# Allegro board 6089-103-RevB_76.brd (continued)
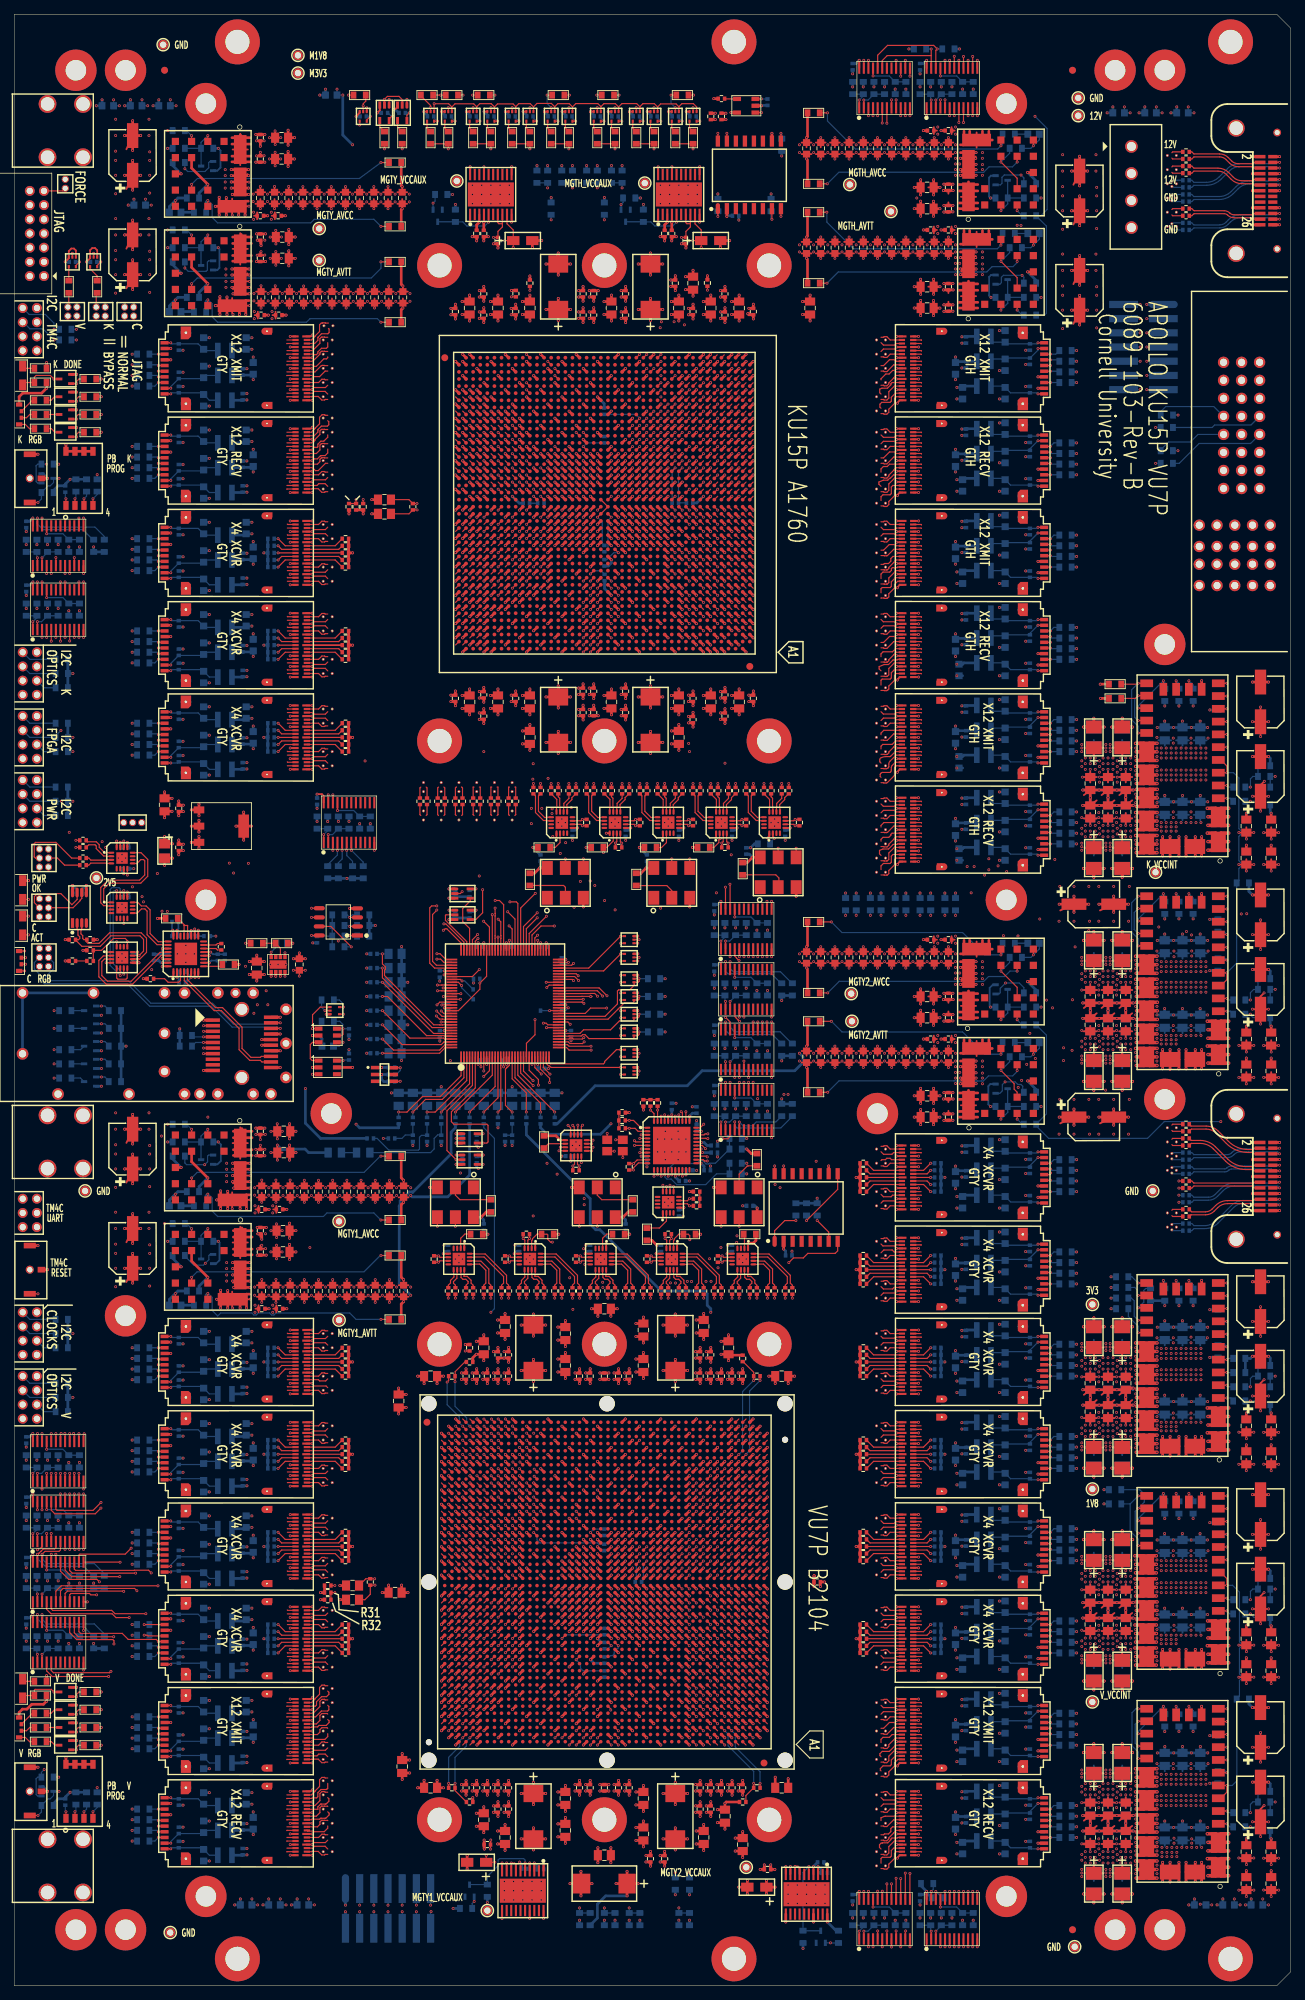
[diagram p0: board, top side]
## Routing (per net, layer and track width the routed paths; a pad name or vN(x,y) marks a point on that pad's centre or on a via; arc(x,y) is an arc through that point) (continued)
VA121.3 ; VA121.3 121.56,53.28 ; VA121.3 121.24,52.58 ; VA121.3 121.15,52.71 ; VA121.3 121.18,52.9 ; VA121.3 121.38,52.49 ; VA121.3 121.15,53.09 ; VA121.3 121.24,53.22 ; 122.83,104.52 VA105.4 ; VA105.4 122.83,105.28 ; VA105.4 123.25,104.71 ; VA105.4 123.02,105.31 ; VA105.4 123.22,104.9 ; VA105.4 123.16,104.58 ; VA105.4 123.25,105.09 ; VA105.4 123.16,105.22 ; 121.15,217.09 VA72.4 ; VA72.4 121.56,216.52 ; VA72.4 121.24,216.58 ; VA72.4 121.38,216.49 ; VA72.4 121.15,216.71 ; VA72.4 121.18,216.9 ; VA72.4 121.24,217.22 ; VA72.4 121.56,217.28 ; VA31.3 45.22,70.9 ; VA31.3 45.25,71.09 ; VA31.3 45.16,70.58 ; VA31.3 45.25,70.71 ; VA31.3 45.16,71.22 ; VA31.3 44.84,71.28 ; VA31.3 45.02,71.31 ; VA31.3 44.84,70.52 ; J1.5 4.87,245.57 ; J1.5 4.2,245.78 ; J1.5 4.2,244.02 ; J1.5 3.32,244.9 ; J1.5 3.53,245.57 ; J1.5 3.53,244.23 ; J1.5 4.87,244.23 ; J1.5 5.08,244.9 ; VA110.4 122.83,90.28 ; VA110.4 122.83,89.52 ; VA110.4 123.25,90.09 ; VA110.4 123.25,89.71 ; VA110.4 123.16,89.58 ; VA110.4 123.22,89.9 ; VA110.4 123.16,90.22 ; VA110.4 123.02,90.31 ; 59.88,167.94 60.2,168.26 ; 60.2,168.26 60.58,168.26 ; 60.2,168.26 60.61,168.08 ; 60.2,168.26 60.2,167.88 ; 60.2,168.26 59.79,168.08 ; 60.2,168.26 59.82,168.26 ; 60.2,168.26 60.01,167.85 ; 60.2,168.26 60.52,167.94 ; VA23.3 44.84,172.28 ; VA23.3 45.25,171.71 ; VA23.3 45.25,172.09 ; VA23.3 45.02,172.31 ; VA23.3 44.84,171.52 ; VA23.3 45.22,171.9 ; VA23.3 45.16,172.22 ; VA23.3 45.16,171.58 ; 43.15,86.09 43.56,85.9 ; 43.56,85.9 43.38,85.49 ; 43.56,85.9 43.24,86.22 ; 43.56,85.9 43.56,86.28 ; 43.56,85.9 43.15,85.71 ; 43.56,85.9 43.24,85.58 ; 43.56,85.9 43.18,85.9 ; 43.56,85.9 43.56,85.52 ; VA134.3 123.25,20.71 ; VA134.3 123.02,21.31 ; VA134.3 123.22,20.9 ; VA134.3 123.16,21.22 ; VA134.3 123.25,21.09 ; VA134.3 122.83,20.52 ; VA134.3 122.83,21.28 ; VA134.3 123.16,20.58 ; VA50.4 45.25,20.71 ; VA50.4 44.84,20.52 ; VA50.4 44.84,21.28 ; VA50.4 45.16,21.22 ; VA50.4 45.16,20.58 ; VA50.4 45.25,21.09 ; VA50.4 45.22,20.9 ; VA50.4 45.02,21.31 ; U24.G2 24.21,171.84 ; U24.G2 23.49,171.62 ; U24.G2 23.49,170.18 ; U24.G2 23.81,169.97 ; U24.G2 24.21,169.96 ; U24.G2 24.93,171.62 ; U24.G2 25.15,170.9 ; U24.G2 24.93,170.18 ; 159.83,111.33 PM24.1 ; PM24.1 160.5,112.88 ; PM24.1 159.62,112 ; PM24.1 161.17,111.33 ; PM24.1 161.38,112 ; PM24.1 161.17,112.67 ; PM24.1 160.5,111.12 ; PM24.1 159.83,112.67 ; VA66.3 123.16,230.22 ; VA66.3 123.25,230.09 ; VA66.3 123.25,229.71 ; VA66.3 123.02,230.31 ; VA66.3 122.83,229.52 ; VA66.3 123.16,229.58 ; VA66.3 122.83,230.28 ; VA66.3 123.22,229.9 ; VA19.3 45.25,184.71 ; VA19.3 45.22,184.9 ; VA19.3 45.02,185.31 ; VA19.3 44.84,184.52 ; VA19.3 44.84,185.28 ; VA19.3 45.16,184.58 ; VA19.3 45.25,185.09 ; VA19.3 45.16,185.22 ; 43.56,24.9 43.56,25.28 ; 43.56,24.9 43.18,24.9 ; 43.56,24.9 43.24,24.58 ; 43.56,24.9 43.15,25.09 ; 43.56,24.9 43.15,24.71 ; 43.56,24.9 43.38,24.49 ; 43.56,24.9 43.24,25.22 ; 43.56,24.9 43.56,24.52 ; 43.15,64.09 43.56,63.9 ; 43.56,63.9 43.38,63.49 ; 43.56,63.9 43.18,63.9 ; 43.56,63.9 43.56,64.28 ; 43.56,63.9 43.15,63.71 ; 43.56,63.9 43.24,63.58 ; 43.56,63.9 43.24,64.22 ; 43.56,63.9 43.56,63.52 ; VA55.4 60.39,169.95 ; VA55.4 59.79,169.72 ; VA55.4 60.58,169.53 ; VA55.4 60.2,169.92 ; VA55.4 59.82,169.53 ; VA55.4 60.52,169.86 ; VA55.4 60.61,169.72 ; VA55.4 59.88,169.86 ; VA104.3 122.83,110.28 ; VA104.3 123.25,109.71 ; VA104.3 123.25,110.09 ; VA104.3 123.22,109.9 ; VA104.3 123.02,110.31 ; VA104.3 123.16,109.58 ; VA104.3 123.16,110.22 ; VA104.3 122.83,109.52 ; 57.38,169.86 VA53.4 ; VA53.4 58.02,169.86 ; VA53.4 57.29,169.72 ; VA53.4 58.08,169.53 ; VA53.4 57.89,169.95 ; VA53.4 58.11,169.72 ; VA53.4 57.7,169.92 ; VA53.4 57.32,169.53 ; 121.38,111.49 VA103.4 ; VA103.4 121.24,111.58 ; VA103.4 121.15,112.09 ; VA103.4 121.18,111.9 ; VA103.4 121.24,112.22 ; VA103.4 121.15,111.71 ; VA103.4 121.56,111.52 ; VA103.4 121.56,112.28 ; PM23.1 150.17,4.83 ; PM23.1 149.5,6.38 ; PM23.1 148.83,4.83 ; PM23.1 150.17,6.17 ; PM23.1 149.5,4.62 ; PM23.1 148.83,6.17 ; PM23.1 150.38,5.5 ; PM23.1 148.62,5.5 ; VA112.3 123.22,83.9 ; VA112.3 123.16,84.22 ; VA112.3 122.83,84.28 ; VA112.3 123.16,83.58 ; VA112.3 123.25,83.71 ; VA112.3 123.25,84.09 ; VA112.3 123.02,84.31 ; VA112.3 122.83,83.52 ; 122.83,117.52 VA101.4 ; VA101.4 122.83,118.28 ; VA101.4 123.25,118.09 ; VA101.4 123.16,117.58 ; VA101.4 123.16,118.22 ; VA101.4 123.22,117.9 ; VA101.4 123.25,117.71 ; VA101.4 123.02,118.31 ; 157.5,247.74 158.31,248.54 ; 157.5,247.74 156.43,247.74 ; 157.5,247.74 158.31,246.93 ; 157.5,247.74 156.69,246.93 ; 157.5,247.74 156.69,248.54 ; 157.5,247.74 157.5,248.8 ; 157.5,247.74 157.5,246.67 ; 157.5,247.74 158.57,247.74 ; 162.15,248.09 VA142.4 ; VA142.4 162.38,247.49 ; VA142.4 162.56,247.52 ; VA142.4 162.15,247.71 ; VA142.4 162.18,247.9 ; VA142.4 162.24,247.58 ; VA142.4 162.56,248.28 ; VA142.4 162.24,248.22 ; 141.79,81.97 U112.G1 ; U112.G1 142.19,83.84 ; U112.G1 141.47,83.62 ; U112.G1 142.19,81.96 ; U112.G1 142.91,83.62 ; U112.G1 141.47,82.18 ; U112.G1 142.91,82.18 ; U112.G1 141.25,82.9 ; 43.56,173.9 43.56,174.28 ; 43.56,173.9 43.38,173.49 ; 43.56,173.9 43.15,173.71 ; 43.56,173.9 43.24,173.58 ; 43.56,173.9 43.56,173.52 ; 43.56,173.9 43.15,174.09 ; 43.56,173.9 43.24,174.22 ; 43.56,173.9 43.18,173.9 ; 141.25,167.9 U109.G2 ; U109.G2 141.47,168.62 ; U109.G2 141.79,166.97 ; U109.G2 142.19,168.84 ; U109.G2 142.19,166.96 ; U109.G2 142.91,167.18 ; U109.G2 142.91,168.62 ; U109.G2 141.47,167.18 ; VA69.3 123.25,224.09 ; VA69.3 123.22,223.9 ; VA69.3 123.02,224.31 ; VA69.3 123.16,224.22 ; VA69.3 122.83,223.52 ; VA69.3 122.83,224.28 ; VA69.3 123.25,223.71 ; VA69.3 123.16,223.58 ; 43.56,76.9 43.56,77.28 ; 43.56,76.9 43.38,76.49 ; 43.56,76.9 43.24,77.22 ; 43.56,76.9 43.15,76.71 ; 43.56,76.9 43.56,76.52 ; 43.56,76.9 43.18,76.9 ; 43.56,76.9 43.24,76.58 ; 43.56,76.9 43.15,77.09 ; 171.33,203.54 P1.P2-5 ; P1.P2-5 172.81,203.54 ; P1.P2-5 172.81,202.06 ; P1.P2-5 173.05,202.8 ; P1.P2-5 172.07,203.78 ; P1.P2-5 172.07,201.82 ; P1.P2-5 171.33,202.06 ; P1.P2-5 171.09,202.8 ; 122.83,115.52 VA102.4 ; VA102.4 123.02,116.31 ; VA102.4 122.83,116.28 ; VA102.4 123.25,115.71 ; VA102.4 123.25,116.09 ; VA102.4 123.16,116.22 ; VA102.4 123.16,115.58 ; VA102.4 123.22,115.9 ; 67.7,164.26 68.11,164.08 ; 67.7,164.26 67.38,163.94 ; 67.7,164.26 68.08,164.26 ; 67.7,164.26 67.32,164.26 ; 67.7,164.26 68.02,163.94 ; 67.7,164.26 67.29,164.08 ; 67.7,164.26 67.7,163.88 ; 67.7,164.26 67.51,163.85 ; 23.49,194.62 U23.G1 ; U23.G1 23.49,193.18 ; U23.G1 24.93,194.62 ; U23.G1 24.21,194.84 ; U23.G1 25.15,193.9 ; U23.G1 24.21,192.96 ; U23.G1 23.81,192.97 ; U23.G1 24.93,193.18 ; VA135.3 123.25,19.09 ; VA135.3 123.16,18.58 ; VA135.3 123.25,18.71 ; VA135.3 123.16,19.22 ; VA135.3 123.22,18.9 ; VA135.3 122.83,18.52 ; VA135.3 123.02,19.31 ; VA135.3 122.83,19.28 ; 163.84,253.52 163.84,253.9 ; 163.84,253.9 164.25,254.09 ; 163.84,253.9 164.16,254.22 ; 163.84,253.9 164.16,253.58 ; 163.84,253.9 163.84,254.28 ; 163.84,253.9 164.02,254.31 ; 163.84,253.9 164.25,253.71 ; 163.84,253.9 164.22,253.9 ; 43.18,44.9 43.56,44.9 ; 43.56,44.9 43.15,45.09 ; 43.56,44.9 43.24,45.22 ; 43.56,44.9 43.56,44.52 ; 43.56,44.9 43.24,44.58 ; 43.56,44.9 43.38,44.49 ; 43.56,44.9 43.15,44.71 ; 43.56,44.9 43.56,45.28 ; 65.01,167.85 65.2,168.26 ; 65.2,168.26 65.2,167.88 ; 65.2,168.26 64.79,168.08 ; 65.2,168.26 65.52,167.94 ; 65.2,168.26 64.88,167.94 ; 65.2,168.26 65.58,168.26 ; 65.2,168.26 65.61,168.08 ; 65.2,168.26 64.82,168.26 ; 43.24,221.22 43.56,220.9 ; 43.56,220.9 43.15,221.09 ; 43.56,220.9 43.18,220.9 ; 43.56,220.9 43.56,220.52 ; 43.56,220.9 43.56,221.28 ; 43.56,220.9 43.24,220.58 ; 43.56,220.9 43.38,220.49 ; 43.56,220.9 43.15,220.71 ; 43.24,23.22 43.56,22.9 ; 43.56,22.9 43.38,22.49 ; 43.56,22.9 43.15,23.09 ; 43.56,22.9 43.18,22.9 ; 43.56,22.9 43.56,22.52 ; 43.56,22.9 43.15,22.71 ; 43.56,22.9 43.24,22.58 ; 43.56,22.9 43.56,23.28 ; 162.56,257.52 VA137.4 ; VA137.4 162.18,257.9 ; VA137.4 162.15,258.09 ; VA137.4 162.15,257.71 ; VA137.4 162.38,257.49 ; VA137.4 162.24,258.22 ; VA137.4 162.56,258.28 ; VA137.4 162.24,257.58 ; 23.49,18.62 U30.G2 ; U30.G2 24.21,16.96 ; U30.G2 25.15,17.9 ; U30.G2 24.93,17.18 ; U30.G2 23.81,16.97 ; U30.G2 23.49,17.18 ; U30.G2 24.21,18.84 ; U30.G2 24.93,18.62 ; VA3.4 45.22,227.9 ; VA3.4 44.84,227.52 ; VA3.4 45.16,227.58 ; VA3.4 45.02,228.31 ; VA3.4 45.16,228.22 ; VA3.4 44.84,228.28 ; VA3.4 45.25,228.09 ; VA3.4 45.25,227.71 ; 121.24,26.58 VA131.4 ; VA131.4 121.56,27.28 ; VA131.4 121.18,26.9 ; VA131.4 121.56,26.52 ; VA131.4 121.15,27.09 ; VA131.4 121.24,27.22 ; VA131.4 121.15,26.71 ; VA131.4 121.38,26.49 ; 121.24,22.58 VA133.4 ; VA133.4 121.38,22.49 ; VA133.4 121.56,22.52 ; VA133.4 121.15,23.09 ; VA133.4 121.15,22.71 ; VA133.4 121.24,23.22 ; VA133.4 121.56,23.28 ; VA133.4 121.18,22.9 ; 162.24,116.58 VA145.4 ; VA145.4 162.15,117.09 ; VA145.4 162.56,117.28 ; VA145.4 162.15,116.71 ; VA145.4 162.18,116.9 ; VA145.4 162.56,116.52 ; VA145.4 162.38,116.49 ; VA145.4 162.24,117.22 ; 163.84,255.9 164.25,256.09 ; 163.84,255.9 164.02,256.31 ; 163.84,255.9 164.16,255.58 ; 163.84,255.9 163.84,255.52 ; 163.84,255.9 164.25,255.71 ; 163.84,255.9 163.84,256.28 ; 163.84,255.9 164.22,255.9 ; 163.84,255.9 164.16,256.22 ; 172.05,228.75 P1.16 ; P1.16 173.77,229.49 ; P1.16 173.03,227.77 ; P1.16 172.29,228.01 ; P1.16 174.01,228.75 ; P1.16 173.03,229.73 ; P1.16 172.29,229.49 ; P1.16 173.77,228.01 ; 121.15,229.71 VA66.4 ; VA66.4 121.24,229.58 ; VA66.4 121.38,229.49 ; VA66.4 121.56,229.52 ; VA66.4 121.15,230.09 ; VA66.4 121.18,229.9 ; VA66.4 121.24,230.22 ; VA66.4 121.56,230.28 ; 121.56,186.52 VA86.4 ; VA86.4 121.15,186.71 ; VA86.4 121.24,187.22 ; VA86.4 121.18,186.9 ; VA86.4 121.24,186.58 ; VA86.4 121.38,186.49 ; VA86.4 121.15,187.09 ; VA86.4 121.56,187.28 ; VA71.4 121.56,219.28 ; VA71.4 121.56,218.52 ; VA71.4 121.15,218.71 ; VA71.4 121.38,218.49 ; VA71.4 121.18,218.9 ; VA71.4 121.24,218.58 ; VA71.4 121.15,219.09 ; VA71.4 121.24,219.22 ; U116.G1 142.91,30.18 ; U116.G1 142.19,31.84 ; U116.G1 142.19,29.96 ; U116.G1 141.79,29.97 ; U116.G1 141.47,31.62 ; U116.G1 142.91,31.62 ; U116.G1 141.47,30.18 ; U116.G1 141.25,30.9 ; 43.24,210.58 43.56,210.9 ; 43.56,210.9 43.56,211.28 ; 43.56,210.9 43.38,210.49 ; 43.56,210.9 43.24,211.22 ; 43.56,210.9 43.56,210.52 ; 43.56,210.9 43.18,210.9 ; 43.56,210.9 43.15,211.09 ; 43.56,210.9 43.15,210.71 ; 23.49,67.62 U27.G1 ; U27.G1 25.15,66.9 ; U27.G1 24.21,65.96 ; U27.G1 23.81,65.97 ; U27.G1 24.93,67.62 ; U27.G1 24.21,67.84 ; U27.G1 24.93,66.18 ; U27.G1 23.49,66.18 ; VA16.4 44.84,193.28 ; VA16.4 45.02,193.31 ; VA16.4 44.84,192.52 ; VA16.4 45.25,193.09 ; VA16.4 45.25,192.71 ; VA16.4 45.16,192.58 ; VA16.4 45.16,193.22 ; VA16.4 45.22,192.9 ; 121.18,169.9 VA94.4 ; VA94.4 121.15,169.71 ; VA94.4 121.38,169.49 ; VA94.4 121.24,170.22 ; VA94.4 121.56,170.28 ; VA94.4 121.15,170.09 ; VA94.4 121.24,169.58 ; VA94.4 121.56,169.52 ; 121.38,91.49 VA109.3 ; VA109.3 121.24,92.22 ; VA109.3 121.18,91.9 ; VA109.3 121.56,91.52 ; VA109.3 121.15,91.71 ; VA109.3 121.24,91.58 ; VA109.3 121.15,92.09 ; VA109.3 121.56,92.28 ; 163.84,247.9 164.16,248.22 ; 163.84,247.9 164.16,247.58 ; 163.84,247.9 164.22,247.9 ; 163.84,247.9 164.25,247.71 ; 163.84,247.9 164.02,248.31 ; 163.84,247.9 163.84,248.28 ; 163.84,247.9 163.84,247.52 ; 163.84,247.9 164.25,248.09 ; 43.38,203.49 43.56,203.9 ; 43.56,203.9 43.56,203.52 ; 43.56,203.9 43.18,203.9 ; 43.56,203.9 43.15,203.71 ; 43.56,203.9 43.56,204.28 ; 43.56,203.9 43.24,204.22 ; 43.56,203.9 43.15,204.09 ; 43.56,203.9 43.24,203.58 ; 122.83,29.52 VA130.3 ; VA130.3 123.22,29.9 ; VA130.3 123.02,30.31 ; VA130.3 123.16,30.22 ; VA130.3 122.83,30.28 ; VA130.3 123.16,29.58 ; VA130.3 123.25,29.71 ; VA130.3 123.25,30.09 ; VA100.3 123.25,156.71 ; VA100.3 123.16,157.22 ; VA100.3 122.83,156.52 ; VA100.3 122.83,157.28 ; VA100.3 123.16,156.58 ; VA100.3 123.25,157.09 ; VA100.3 123.22,156.9 ; VA100.3 123.02,157.31 ; VA52.3 43.66,234.28 ; VA52.3 43.48,233.49 ; VA52.3 43.34,233.58 ; VA52.3 43.25,234.09 ; VA52.3 43.25,233.71 ; VA52.3 43.34,234.22 ; VA52.3 43.28,233.9 ; VA52.3 43.66,233.52 ; 121.24,158.58 VA99.4 ; VA99.4 121.15,158.71 ; VA99.4 121.15,159.09 ; VA99.4 121.56,158.52 ; VA99.4 121.18,158.9 ; VA99.4 121.56,159.28 ; VA99.4 121.38,158.49 ; VA99.4 121.24,159.22 ; 121.24,183.22 VA88.4 ; VA88.4 121.15,183.09 ; VA88.4 121.38,182.49 ; VA88.4 121.56,182.52 ; VA88.4 121.56,183.28 ; VA88.4 121.15,182.71 ; VA88.4 121.24,182.58 ; VA88.4 121.18,182.9 ; 163.84,251.9 164.25,251.71 ; 163.84,251.9 164.22,251.9 ; 163.84,251.9 163.84,251.52 ; 163.84,251.9 164.02,252.31 ; 163.84,251.9 164.16,252.22 ; 163.84,251.9 164.16,251.58 ; 163.84,251.9 164.25,252.09 ; 163.84,251.9 163.84,252.28 ; VA83.3 123.25,193.09 ; VA83.3 122.83,193.28 ; VA83.3 123.02,193.31 ; VA83.3 123.22,192.9 ; VA83.3 122.83,192.52 ; VA83.3 123.16,192.58 ; VA83.3 123.25,192.71 ; VA83.3 123.16,193.22 ; 141.25,157.9 U109.G1 ; U109.G1 141.47,157.18 ; U109.G1 142.91,157.18 ; U109.G1 142.19,158.84 ; U109.G1 141.79,156.97 ; U109.G1 142.19,156.96 ; U109.G1 142.91,158.62 ; U109.G1 141.47,158.62 ; VA33.4 45.16,64.22 ; VA33.4 45.02,64.31 ; VA33.4 45.25,64.09 ; VA33.4 44.84,64.28 ; VA33.4 45.25,63.71 ; VA33.4 44.84,63.52 ; VA33.4 45.22,63.9 ; VA33.4 45.16,63.58 ; PM25.1 10.67,112.67 ; PM25.1 10,112.88 ; PM25.1 9.33,111.33 ; PM25.1 10,111.12 ; PM25.1 9.12,112 ; PM25.1 10.67,111.33 ; PM25.1 10.88,112 ; PM25.1 9.33,112.67 ; 162.24,114.58 VA146.4 ; VA146.4 162.56,115.28 ; VA146.4 162.18,114.9 ; VA146.4 162.38,114.49 ; VA146.4 162.56,114.52 ; VA146.4 162.15,115.09 ; VA146.4 162.15,114.71 ; VA146.4 162.24,115.22 ; 172.05,218.59 P1.12 ; P1.12 173.77,217.85 ; P1.12 173.03,217.61 ; P1.12 172.29,219.33 ; P1.12 172.29,217.85 ; P1.12 173.03,219.57 ; P1.12 174.01,218.59 ; P1.12 173.77,219.33 ; 15.52,124.98 U13.31 ; U13.31 15.31,125.65 ; U13.31 16.19,124.77 ; U13.31 15.52,126.32 ; U13.31 17.07,125.65 ; U13.31 16.19,126.53 ; U13.31 16.86,126.32 ; U13.31 16.86,124.98 ; 23.49,184.62 U23.G2 ; U23.G2 24.93,183.18 ; U23.G2 24.21,182.96 ; U23.G2 23.49,183.18 ; U23.G2 23.81,182.97 ; U23.G2 24.21,184.84 ; U23.G2 25.15,183.9 ; U23.G2 24.93,184.62 ; VA48.4 45.16,25.22 ; VA48.4 45.25,24.71 ; VA48.4 45.02,25.31 ; VA48.4 45.22,24.9 ; VA48.4 45.16,24.58 ; VA48.4 44.84,24.52 ; VA48.4 45.25,25.09 ; VA48.4 44.84,25.28 ; 43.56,37.9 43.56,38.28 ; 43.56,37.9 43.15,38.09 ; 43.56,37.9 43.15,37.71 ; 43.56,37.9 43.38,37.49 ; 43.56,37.9 43.56,37.52 ; 43.56,37.9 43.18,37.9 ; 43.56,37.9 43.24,38.22 ; 43.56,37.9 43.24,37.58 ; J1.9 4.87,248.23 ; J1.9 3.53,249.57 ; J1.9 4.87,249.57 ; J1.9 3.53,248.23 ; J1.9 4.2,249.78 ; J1.9 3.32,248.9 ; J1.9 4.2,248.02 ; J1.9 5.08,248.9 ; 10.51,139.23 U13.35 ; U13.35 11.18,140.78 ; U13.35 10.51,140.57 ; U13.35 11.18,139.02 ; U13.35 10.31,139.9 ; U13.35 11.86,140.57 ; U13.35 11.86,139.23 ; U13.35 12.06,139.9 ; P1.13 174.01,221.13 ; P1.13 173.03,222.11 ; P1.13 172.29,220.39 ; P1.13 173.03,220.15 ; P1.13 173.77,220.39 ; P1.13 172.05,221.13 ; P1.13 173.77,221.87 ; P1.13 172.29,221.87 ; 121.15,215.09 VA73.4 ; VA73.4 121.15,214.71 ; VA73.4 121.24,214.58 ; VA73.4 121.38,214.49 ; VA73.4 121.56,215.28 ; VA73.4 121.24,215.22 ; VA73.4 121.18,214.9 ; VA73.4 121.56,214.52 ; 43.15,198.09 43.56,197.9 ; 43.56,197.9 43.56,197.52 ; 43.56,197.9 43.38,197.49 ; 43.56,197.9 43.18,197.9 ; 43.56,197.9 43.56,198.28 ; 43.56,197.9 43.24,198.22 ; 43.56,197.9 43.24,197.58 ; 43.56,197.9 43.15,197.71 ; 27.95,124.89 U13.28 ; U13.28 27.95,126.41 ; U13.28 29.71,125.65 ; U13.28 29.47,124.89 ; U13.28 29.47,126.41 ; U13.28 27.71,125.65 ; U13.28 28.71,124.65 ; U13.28 28.71,126.65 ; 121.18,166.9 VA95.4 ; VA95.4 121.56,167.28 ; VA95.4 121.38,166.49 ; VA95.4 121.24,167.22 ; VA95.4 121.56,166.52 ; VA95.4 121.15,166.71 ; VA95.4 121.24,166.58 ; VA95.4 121.15,167.09 ; 14.89,164.44 J16.1 ; J16.1 15.43,164.59 ; J16.1 14.74,163.9 ; J16.1 15.97,163.36 ; J16.1 15.97,164.44 ; J16.1 15.13,163.21 ; J16.1 15.43,163.21 ; J16.1 14.89,163.36 ; VA89.3 123.16,179.58 ; VA89.3 122.83,179.52 ; VA89.3 123.25,180.09 ; VA89.3 123.25,179.71 ; VA89.3 123.16,180.22 ; VA89.3 123.02,180.31 ; VA89.3 122.83,180.28 ; VA89.3 123.22,179.9 ; 142.19,117.96 U110.G2 ; U110.G2 142.91,119.62 ; U110.G2 141.25,118.9 ; U110.G2 141.47,119.62 ; U110.G2 142.19,119.84 ; U110.G2 141.47,118.18 ; U110.G2 141.79,117.97 ; U110.G2 142.91,118.18 ; J1.11 4.2,251.78 ; J1.11 4.2,250.02 ; J1.11 3.53,250.23 ; J1.11 4.87,251.57 ; J1.11 5.08,250.9 ; J1.11 4.87,250.23 ; J1.11 3.53,251.57 ; J1.11 3.32,250.9 ; 43.56,229.9 43.56,230.28 ; 43.56,229.9 43.56,229.52 ; 43.56,229.9 43.15,230.09 ; 43.56,229.9 43.24,229.58 ; 43.56,229.9 43.15,229.71 ; 43.56,229.9 43.24,230.22 ; 43.56,229.9 43.38,229.49 ; 43.56,229.9 43.18,229.9 ; VA9.4 45.16,214.58 ; VA9.4 45.16,215.22 ; VA9.4 45.25,214.71 ; VA9.4 45.25,215.09 ; VA9.4 45.22,214.9 ; VA9.4 44.84,214.52 ; VA9.4 44.84,215.28 ; VA9.4 45.02,215.31 ; 162.15,109.09 VA147.4 ; VA147.4 162.15,108.71 ; VA147.4 162.56,108.52 ; VA147.4 162.24,109.22 ; VA147.4 162.38,108.49 ; VA147.4 162.24,108.58 ; VA147.4 162.56,109.28 ; VA147.4 162.18,108.9 ; J8.7 1.87,80.57 ; J8.7 1.58,80.77 ; J8.7 1.87,79.23 ; J8.7 2.07,80.28 ; J8.7 1.2,79.02 ; J8.7 2.08,79.9 ; J8.7 1.2,80.78 ; J8.7 2.07,79.52 ; 121.15,178.09 VA90.4 ; VA90.4 121.15,177.71 ; VA90.4 121.24,178.22 ; VA90.4 121.56,178.28 ; VA90.4 121.18,177.9 ; VA90.4 121.56,177.52 ; VA90.4 121.38,177.49 ; VA90.4 121.24,177.58 ; U104.G1 142.91,222.18 ; U104.G1 141.47,223.62 ; U104.G1 142.19,221.96 ; U104.G1 141.25,222.9 ; U104.G1 141.79,221.97 ; U104.G1 142.91,223.62 ; U104.G1 142.19,223.84 ; U104.G1 141.47,222.18 ; 121.18,29.9 VA130.4 ; VA130.4 121.15,29.71 ; VA130.4 121.38,29.49 ; VA130.4 121.24,29.58 ; VA130.4 121.56,29.52 ; VA130.4 121.24,30.22 ; VA130.4 121.56,30.28 ; VA130.4 121.15,30.09 ; VA89.4 121.56,180.28 ; VA89.4 121.18,179.9 ; VA89.4 121.15,179.71 ; VA89.4 121.15,180.09 ; VA89.4 121.56,179.52 ; VA89.4 121.38,179.49 ; VA89.4 121.24,180.22 ; VA89.4 121.24,179.58 ; 62.32,164.26 62.7,164.26 ; 62.7,164.26 62.38,163.94 ; 62.7,164.26 62.51,163.85 ; 62.7,164.26 63.08,164.26 ; 62.7,164.26 63.11,164.08 ; 62.7,164.26 63.02,163.94 ; 62.7,164.26 62.7,163.88 ; 62.7,164.26 62.29,164.08 ; VA76.3 123.16,208.58 ; VA76.3 123.22,208.9 ; VA76.3 122.83,208.52 ; VA76.3 123.02,209.31 ; VA76.3 123.25,209.09 ; VA76.3 123.25,208.71 ; VA76.3 122.83,209.28 ; VA76.3 123.16,209.22 ; VA79.3 123.25,202.09 ; VA79.3 123.16,201.58 ; VA79.3 123.16,202.22 ; VA79.3 123.22,201.9 ; VA79.3 123.25,201.71 ; VA79.3 123.02,202.31 ; VA79.3 122.83,202.28 ; VA79.3 122.83,201.52 ; 141.47,69.18 U113.G1 ; U113.G1 141.79,68.97 ; U113.G1 141.25,69.9 ; U113.G1 142.91,69.18 ; U113.G1 141.47,70.62 ; U113.G1 142.19,70.84 ; U113.G1 142.91,70.62 ; U113.G1 142.19,68.96 ; 43.24,186.58 43.56,186.9 ; 43.56,186.9 43.24,187.22 ; 43.56,186.9 43.56,187.28 ; 43.56,186.9 43.18,186.9 ; 43.56,186.9 43.56,186.52 ; 43.56,186.9 43.15,187.09 ; 43.56,186.9 43.15,186.71 ; 43.56,186.9 43.38,186.49 ; VA126.3 123.02,38.31 ; VA126.3 123.25,37.71 ; VA126.3 123.25,38.09 ; VA126.3 122.83,38.28 ; VA126.3 123.22,37.9 ; VA126.3 123.16,37.58 ; VA126.3 123.16,38.22 ; VA126.3 122.83,37.52 ; U29.G1 24.93,41.62 ; U29.G1 23.49,41.62 ; U29.G1 24.21,39.96 ; U29.G1 23.49,40.18 ; U29.G1 23.81,39.97 ; U29.G1 25.15,40.9 ; U29.G1 24.93,40.18 ; U29.G1 24.21,41.84 ; VA64.4 70.58,165.53 ; VA64.4 69.88,165.86 ; VA64.4 69.79,165.72 ; VA64.4 69.82,165.53 ; VA64.4 70.39,165.95 ; VA64.4 70.61,165.72 ; VA64.4 70.52,165.86 ; VA64.4 70.2,165.92 ; 142.19,91.96 U112.G2 ; U112.G2 142.91,92.18 ; U112.G2 141.47,92.18 ; U112.G2 141.25,92.9 ; U112.G2 142.19,93.84 ; U112.G2 141.47,93.62 ; U112.G2 142.91,93.62 ; U112.G2 141.79,91.97 ; 57.29,165.72 VA54.4 ; VA54.4 58.08,165.53 ; VA54.4 58.02,165.86 ; VA54.4 57.32,165.53 ; VA54.4 58.11,165.72 ; VA54.4 57.38,165.86 ; VA54.4 57.89,165.95 ; VA54.4 57.7,165.92 ; 142.19,16.96 U117.G1 ; U117.G1 141.25,17.9 ; U117.G1 142.91,17.18 ; U117.G1 141.47,18.62 ; U117.G1 142.19,18.84 ; U117.G1 141.79,16.97 ; U117.G1 141.47,17.18 ; U117.G1 142.91,18.62 ; VA85.3 123.16,188.58 ; VA85.3 122.83,188.52 ; VA85.3 122.83,189.28 ; VA85.3 123.22,188.9 ; VA85.3 123.16,189.22 ; VA85.3 123.25,188.71 ; VA85.3 123.25,189.09 ; VA85.3 123.02,189.31 ; 62.29,169.72 VA57.4 ; VA57.4 62.38,169.86 ; VA57.4 63.11,169.72 ; VA57.4 62.32,169.53 